# Altium PCB RelayTesterggf.PcbDoc (part 2 of 2) (continued)
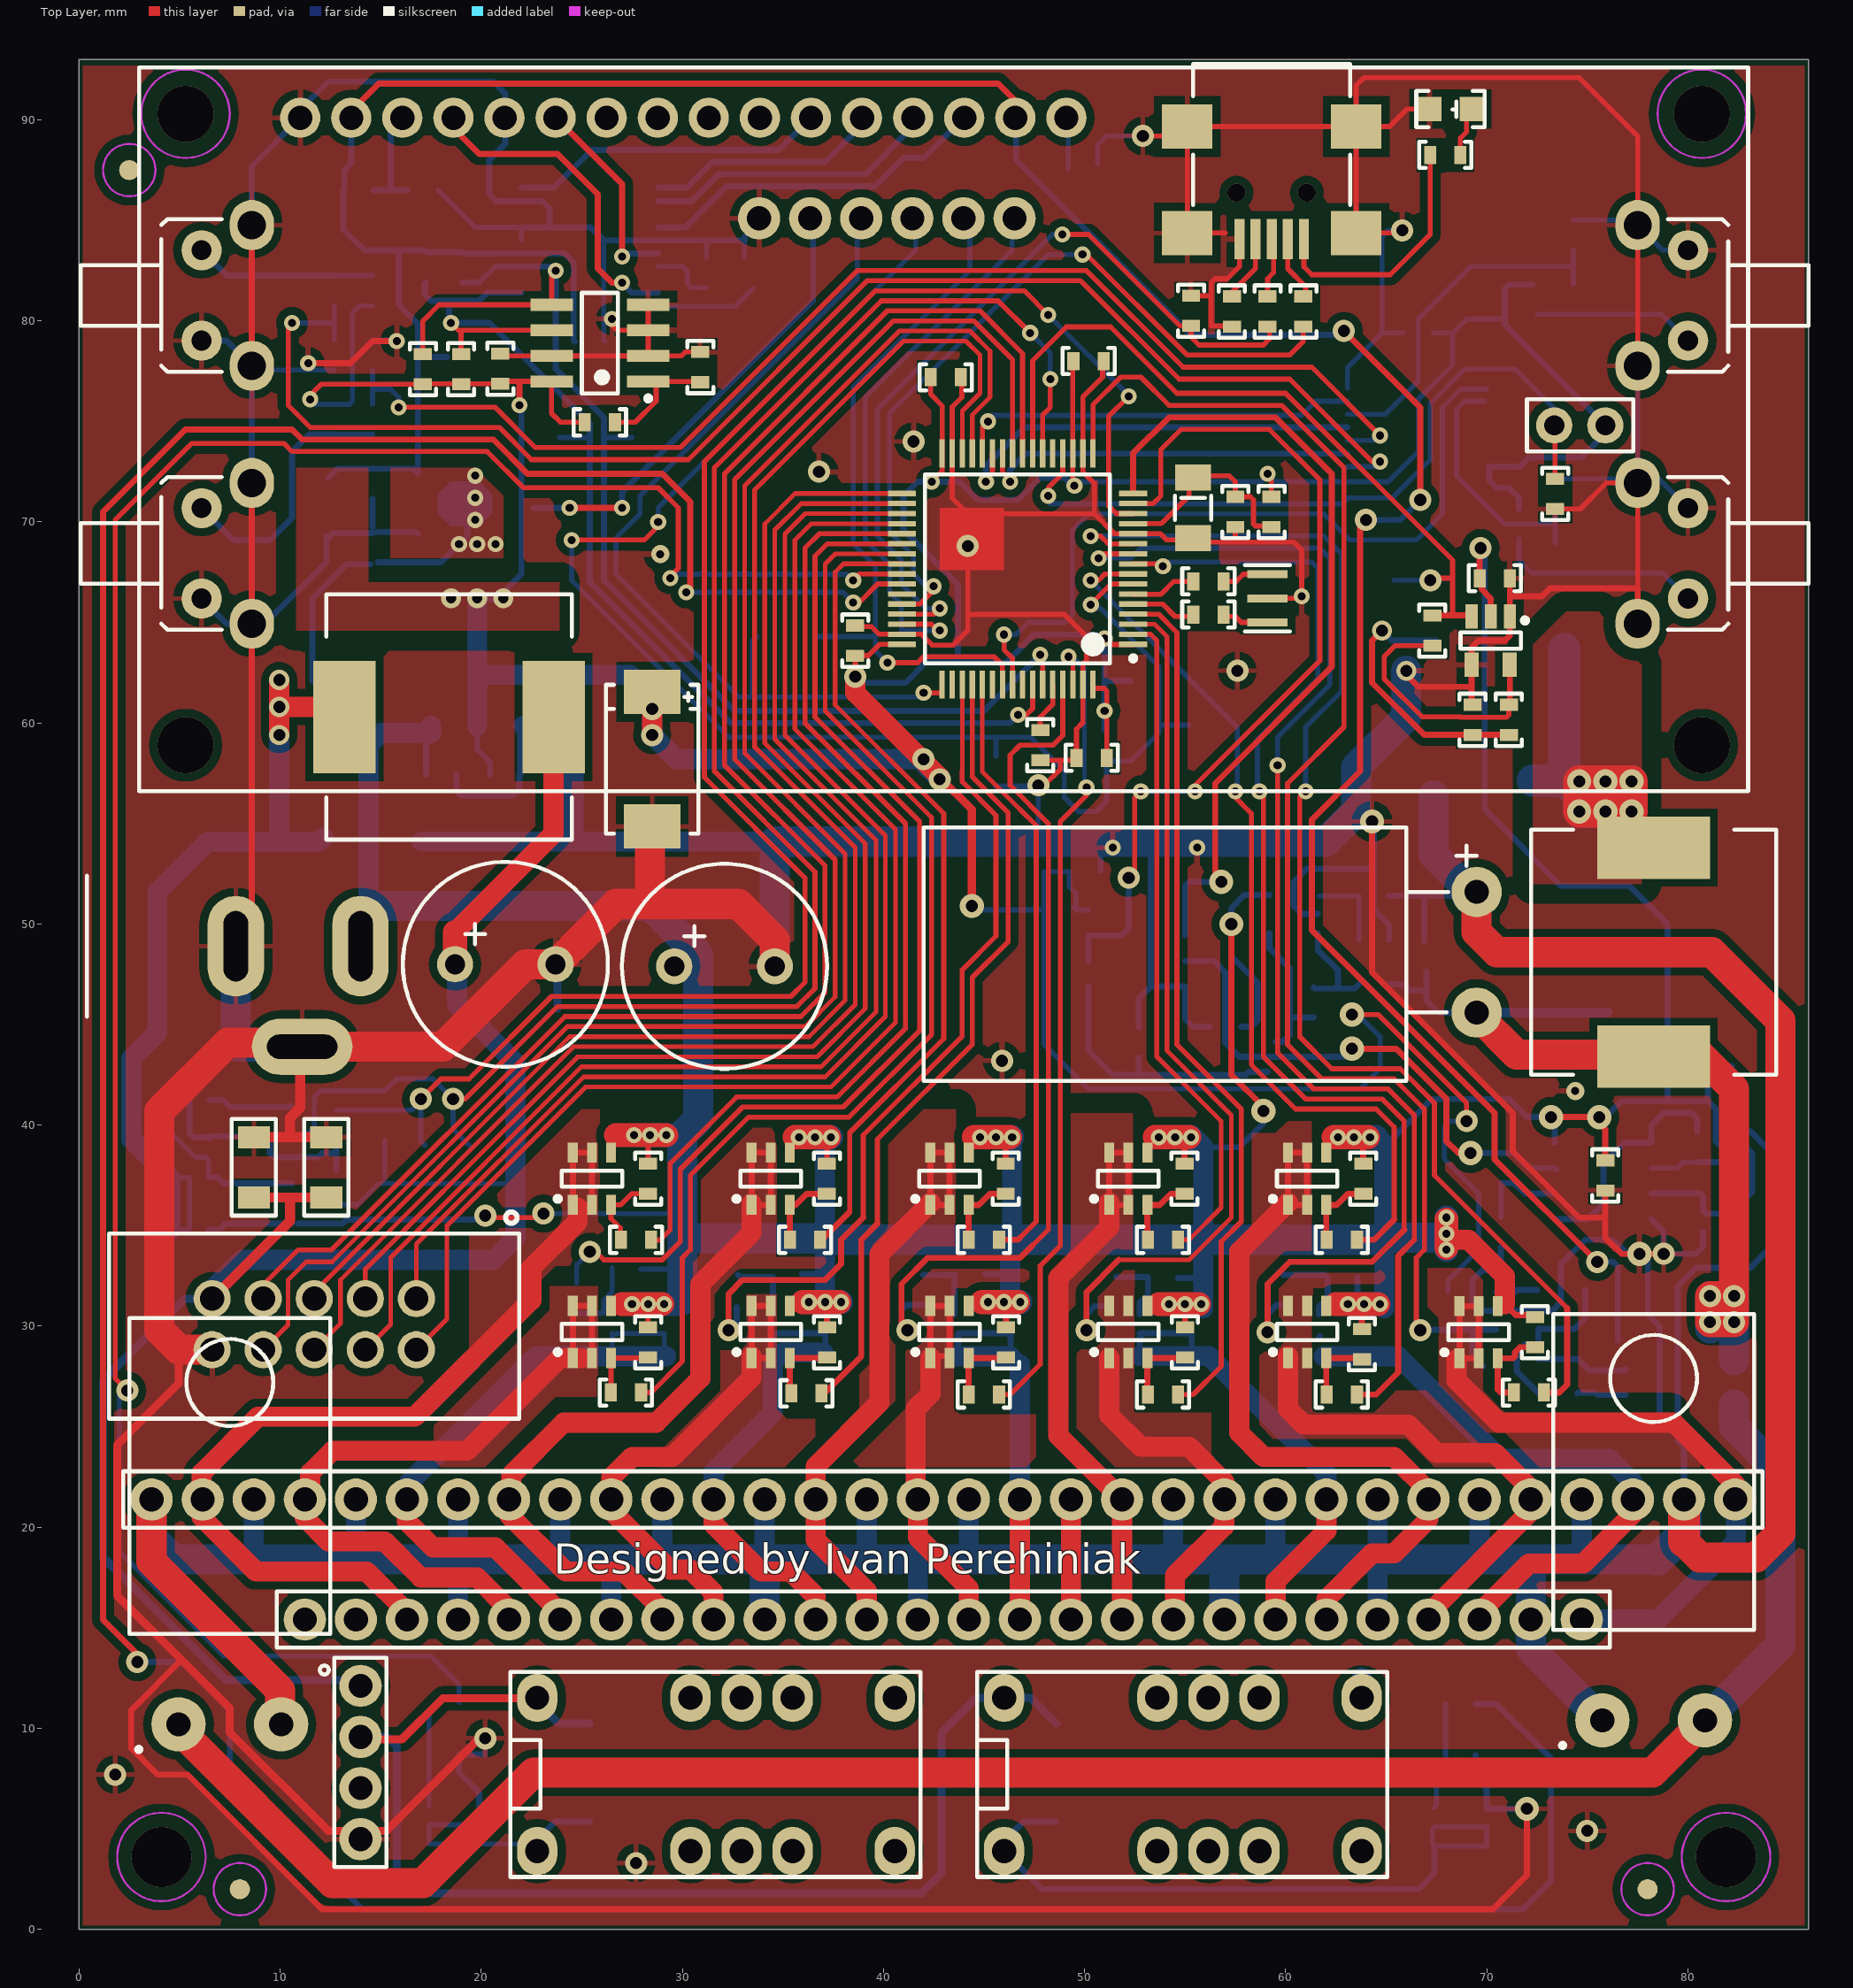
[diagram p0: Top Layer view]
## Nets (pads, with @x,y where several pads share a name; then routed paths per layer and width w, separated by ;. In a path a pad name is that pad's centre, name@x,y a point inside that pad or via, vN(x,y) a via of type N, cw(c..) or ccw(c..) an arc to the next point about the centre after c; other vN are vias at no path point) (continued)
  Top Layer w0.25: v1(24.5,69.1) 28.114,69.1 v1@28.9,69.886 ; v1@50.3,65.9 51.314,66.914 U1.7@52.421,66.914
  Bottom Layer w0.25: v1(24.5,69.1) 24.5,67.1 32.3,59.3 45.6,59.3 ; v1(28.8,70) 28.8,70.7 41.6,83.5 XT9.3@41.6,84.7 ; C32.1@45.6,58.35 45.6,59.3 ; v1(50.314,65.886) 50.5,65.7 50.8,65.7 53.7,62.8 53.7,59.5 52.3,58.1 51.1,58.1 51.1,56.1 50.6,55.6 49.7,55.6 49,56.3 49,57.6 47.3,59.3 45.6,59.3 ; 53.8,59.9 pad.2@55.2,59.9
OUT1: R22.1 U1.37 | length 50.1
  Top Layer w0.25: R22.1@28.417,34.285 28.885,34.285 29.4,34.8 29.4,38.1 32.7,41.4 37.7,41.4 41.1,44.8 41.1,55 36.1,60 36.1,68.7 36.814,69.414 U1.37@40.921,69.414
OUT2: R36.1 U1.39 | length 56.6
  Top Layer w0.23: U1.39@40.921,68.414 37.614,68.414 37.1,67.9 37.1,60.6 42.4,55.3
  Top Layer w0.25: R36.1@27.95,26.7 28.452,26.7 30,28.248 30,33.4 30.4,33.8 30.4,37.5 33.3,40.4 38.3,40.4 42.4,44.5 42.4,55.3
OUT3: R52.1 U1.38 | length 55.5
  Top Layer w0.25: v2(25.4,33.7) 25.7,33.7 26.1,33.3 29,33.3 29.9,34.2 29.9,37.8 33,40.9 38,40.9 41.8,44.7 41.8,55.1 36.6,60.3 36.6,68.3 37.214,68.914 U1.38@40.921,68.914
  Bottom Layer w0.25: R52.1@24.758,32.15 24.758,33.058 v2(25.4,33.7)
OUT4: R64.1 U1.40 | length 41.6
  Top Layer w0.23: U1.40@40.921,67.914 38.014,67.914 37.6,67.5 37.6,60.9 43,55.5
  Top Layer w0.25: 38.3,35.65 38.325,35.675 38.325,39.625 43,44.3 43,55.5
  Top Layer w0.3: R64.1@36.85,34.2 38.3,35.65
OUT5: R23.1 U1.52 | length 39.9
  Top Layer w0.23: 44.421,57.321 U1.52@44.421,61.914
  Top Layer w0.25: 39.7,35.1 39.7,39.3 44.421,44.021 44.421,47.346 46.2,49.125 46.2,55.542 44.421,57.321
  Top Layer w0.3: R23.1@36.926,26.665 37.065,26.665 38.9,28.5 38.9,34.3 39.7,35.1
OUT6: R37.1 U1.51 | length 42
  Top Layer w0.23: 43.921,57.621 U1.51@43.921,61.914
  Top Layer w0.25: 39,35.4 39,39.5 43.921,44.421 43.921,47.721 45.6,49.4 45.6,55.4 43.921,57.079 43.921,57.621
  Top Layer w0.3: v2(32.3,29.8) 32.3,31.6 33,32.3 37.1,32.3 37.9,33.1 37.9,34.3 39,35.4
  Bottom Layer w0.3: v2(32.3,29.8) 32.7,30.2 R37.1@32.7,30.95
OUT7: R53.1 U1.53 | length 30
  Top Layer w0.23: U1.53@44.921,61.914 44.921,57.579 46.8,55.7
  Top Layer w0.25: 46.8,34.4 47.6,35.2 47.6,54.9 46.8,55.7
  Top Layer w0.3: R53.1@45.75,34.3 46.7,34.3 46.8,34.4
OUT8: R65.1 U1.62 | length 40.8
  Top Layer w0.23: U1.62@49.4,61.935 U1.62@49.421,61.914 v1@49.421,63.379
  Top Layer w0.25: R65.1@45.75,26.6 46.3,26.6 47.8,28.1 47.8,33 48.8,34 48.8,55.1 50.1,56.4 v1(50.1,56.8)
  Bottom Layer w0.23: v1(49.2,63.3) 49.4,63.3 50,62.7 v1@50,56.8
OUT9: R24.1 U1.61 | length 43.1
  Top Layer w0.25: 47.4,34 48.2,34.8 48.2,55 46.3,56.9 46.3,58.4 46.8,58.9 48.442,58.9 48.921,59.379 U1.61@48.921,61.914
  Top Layer w0.3: v2(41.2,29.8) 40.9,30.1 40.9,32.1 42.2,33.4 46.8,33.4 47.4,34
  Bottom Layer w0.3: v2(41.2,29.8) 40.9,30.1 40.9,30.8 41.15,31.05 R24.1@41.978,31.05
OUT10: R38.1 U1.2 | length 33.6
  Top Layer w0.23: 53.3,64.4 53.6,64.1 53.6,43.4 56.8,40.2 56.8,35.9 55.2,34.3 R38.1@54.65,34.3
  Top Layer w0.25: U1.2@52.421,64.414 53.286,64.414 53.3,64.4
OUT11: R54.1 U1.4 | length 43.5
  Top Layer w0.25: U1.4@52.421,65.414 53.686,65.414 54.6,64.5 54.6,44 57.8,40.8 57.8,35.2 56.8,34.2 56.8,28 55.4,26.6 R54.1@54.65,26.6
OUT12: R66.1 U1.3 | length 45
  Top Layer w0.23: 51.7,33.3 55.2,33.3 57.3,35.4 57.3,40.5 54.1,43.7 54.1,64.3 53.486,64.914 U1.3@52.421,64.914
  Top Layer w0.3: v2(50.1,29.8) 50.1,31.7 51.7,33.3
  Bottom Layer w0.3: v2(50.1,29.8) 50.1,30.6 50.5,31 R66.1@51.3,31
OUT13: R25.1 U1.8 | length 45.2
  Top Layer w0.25: v1@50.1,67.1 v1(50.3,67.1) 50.7,67.1 51.014,67.414 U1.8@52.421,67.414 ; v1(57.5,56.6) 57.5,56.3 58.3,55.5 58.3,43 60.5,40.8 64.5,40.8 65.4,39.9 65.4,35.3
  Top Layer w0.3: R25.1@63.55,34.3 64.4,34.3 65.4,35.3
  Bottom Layer w0.25: v1(50.3,67.1) 57.6,59.8 57.6,56.7 v1(57.5,56.6)
OUT14: R39.1 U1.10 | length 63.4
  Top Layer w0.25: v1@50.828,68 50.7,68.128 v1(50.7,68.2) 50.914,68.414 U1.10@52.421,68.414 ; v1(59.6,57.9) 59.6,43.6 61.4,41.8 64.664,41.8 64.665,41.802 65.098,41.802 66.402,40.498 66.402,34.302 66.4,34.3
  Top Layer w0.3: R39.1@63.55,26.6 64.5,26.6 65.6,27.7 65.6,33.5 66.4,34.3
  Bottom Layer w0.25: v1(50.7,68.2) 52.3,68.2 52.8,68.7 61.7,68.7 62.2,68.2 62.2,61.9 59.6,59.3 v1(59.6,57.9)
OUT15: R55.1 U1.9 | length 61.1
  Top Layer w0.25: U1.9@52.421,67.914 53.886,67.914 53.9,67.9 v1(53.9,67.8) ; v1@58.9,56.4 58.9,43.4 61,41.3 64.8,41.3 65.9,40.2 65.9,34.8
  Top Layer w0.3: v2(59.1,29.7) 59.1,32.1 60.2,33.2 64.3,33.2 65.9,34.8
  Bottom Layer w0.25: v1(53.9,67.8) 53.9,68 61.3,68 61.6,67.7 61.6,62.2 58.6,59.2 58.6,56.7 v1(58.7,56.6)
  Bottom Layer w0.3: v2(59.1,29.7) 59.1,30.6 59.55,31.05 R55.1@60.1,31.05
OUT16: R67.1 U1.11 | length 65.9
  Top Layer w0.25: v1@50.5,69.3 50.8,69.3 51.186,68.914 U1.11@52.421,68.914 ; v1(61,56.6) 60.7,56.3 60.7,44.4 62.3,42.8 65.7,42.8 67.4,41.1 67.4,37.5 74,30.9
  Top Layer w0.3: R67.1@72.85,26.7 73.6,26.7 74,27.1 74,30.9
  Bottom Layer w0.25: v1(50.3,69.3) 61.9,69.3 62.8,68.4 62.8,61.6 61,59.8 v1(61,56.6)
PWMVOLTMEAS: DA3.6 DA3.7 pad.2@53.9,56.6 U1.15 | length 44.6
  Top Layer w0.25: v2(52.2,52.3) 52.5,52.6 52.5,56.3 v1(52.8,56.6) ; U1.15@52.421,70.914 53.414,70.914 53.8,71.3 53.8,73.6 54.8,74.6 59.2,74.6 61.7,72.1 61.7,63.1 55.5,56.9 v1(55.5,56.6)
  Bottom Layer w0.25: v1(52.8,56.6) v1(55.5,56.6)
  Bottom Layer w0.3: DA3.6@50.2,48.165 DA3.7@50.2,49.435 51.835,49.435 52.2,49.8 52.2,52.2 v2@52,52.4
RELON1: U1.35 XT6.1 | length 63
  Top Layer w0.23: XT6.1@16.78,31.37 16.78,34.088 25.092,42.4 37.1,42.4 40.1,45.4 40.1,54.4 35.1,59.4 35.1,69.4 36.114,70.414 U1.35@40.921,70.414
RELON2: U1.36 XT6.2 | length 65
  Top Layer w0.23: XT6.2@16.78,28.83 18.3,30.35 18.3,35 25.2,41.9 37.4,41.9 40.6,45.1 40.6,54.7 35.6,59.7 35.6,69.1 36.414,69.914 U1.36@40.921,69.914
RELON3: U1.33 XT6.3 | length 65.3
  Top Layer w0.23: 18.1,36.7 24.8,43.4 36.708,43.4 39.1,45.792 39.1,54 34.1,59 34.1,69.9 35.614,71.414 U1.33@40.921,71.414
  Top Layer w0.25: XT6.3@14.24,31.37 14.24,32.84 18.1,36.7
RELON4: U1.34 XT6.4 | length 67.2
  Top Layer w0.23: XT6.4@14.24,28.83 15.5,30.09 15.5,33.416 24.984,42.9 36.9,42.9 39.63,45.63 39.63,54.17 34.6,59.2 34.6,69.6 35.914,70.914 U1.34@40.921,70.914
RELON5: U1.29 XT6.5 | length 81.7
  Top Layer w0.23: XT6.5@11.7,31.37 11.7,31.7 24.4,44.4 36.3,44.4 38.1,46.2 38.1,53.5 33.1,58.5 33.1,71.8 40.8,79.5 44.3,79.5 45.3,78.5 45.3,76.2 44.421,75.321 U1.29@44.421,73.414
RELON6: U1.30 XT6.6 | length 82.8
  Top Layer w0.23: XT6.6@11.7,28.83 13,30.13 13,32.3 24.6,43.9 36.5,43.9 38.6,46 38.6,53.8 33.6,58.8 33.6,71.6 41,79 44.1,79 44.8,78.3 44.8,76.4 43.921,75.521 U1.30@43.921,73.414 U1.30@43.9,73.435
RELON7: U1.24 XT6.7 | length 86.5
  Top Layer w0.25: XT6.7@9.16,31.37 9.16,32.06 10.9,33.8 12.562,33.8 24.162,45.4 35.9,45.4 37.1,46.6 37.1,52.9 32.1,57.9 32.1,72.4 40.2,80.5 44.8,80.5 46.921,78.379 U1.24@46.921,73.414
RELON8: U1.25 XT6.8 | length 87.4
  Top Layer w0.23: XT6.8@9.16,28.83 10.4,30.07 10.4,32.3 11.3,33.2 12.584,33.2 24.284,44.9 36.122,44.9 37.6,46.378 37.6,53.2
  Top Layer w0.25: 37.6,53.2 32.6,58.2 32.6,72.1 40.5,80 44.5,80 46.421,78.079 U1.25@46.421,73.414
RELON9: R75.1 U1.41 | length 118.6
  Top Layer w0.25: v2(2.4,26.8) 1.8,27.4 1.8,70.1 5.6,73.9 10.2,73.9 10.6,73.5 20.3,73.5 22.1,71.7 28.8,71.7 29.8,70.7 29.8,67.7 29.4,67.3 v1(29.4,67.2) ; v1(38.5,67.1) 38.814,67.414 U1.41@40.921,67.414
  Bottom Layer w0.25: v2@2,26.9 2,18.8 7.2,13.6 17.5,13.6 18.9,12.2 R75.1@18.9,11.3 ; v1(29.4,67.2) 29.6,67.4 38.2,67.4 v1(38.5,67.1)
RELON10: R76.1 U1.42 | length 195.2
  Top Layer w0.25: v1(38.5,66) 38.8,66 39.714,66.914 U1.42@40.921,66.914
  Top Layer w0.3: v2(2.9,13.3) 2.9,13.7 1.2,15.4 1.2,70.5 5.3,74.6 10.6,74.6 11.1,74.1 20.6,74.1 22.3,72.4 29,72.4 30.4,71 30.4,66.5 v1(30.2,66.5)
  Bottom Layer w0.25: v1(30.2,66.5) 38,66.5 v1(38.5,66)
  Bottom Layer w0.3: v2(2.9,13.3) 5.1,13.3 7.5,10.9 7.5,7.6 14.1,1 71.8,1 73.2,2.4 73.2,8.5 70.491,11.209 R76.1@69.451,11.209
REZSOURSE: IC8.3 IC8.4 R30.2 R35.1 | length 100.7
  Top Layer w1.5: R35.1@5.1,10.1 5.1,9.8 12.6,2.3 17.1,2.3 22.6,7.8 78.25,7.8 R30.2@80.85,10.4
  Bottom Layer w1.5: R30.2@80.85,10.4 84.6,14.15 84.6,22.7 82.3,25 82.3,26.1
REZSOURSE1: C13.2 C16.2 IC8.1 IC8.2 L3.2 R83.1 R93.1 R94.1 | length 48.4
  Top Layer w1.5: C16.2@69.45,45.55 71.5,43.5 80.6,43.5 82.3,41.8 v2(82.3,31.5) ; v2(82.3,31.5) v2(82.3,30.2) v2(81.1,30.2) v2(81.1,31.5) v2(82.3,31.5)
  Bottom Layer w0.3: R83.1@65.15,47 65.9,47 66.2,46.7 67,46.7 ; C13.2@67,47.65 67,46.7 ; C16.2@69.5,45.6 67.6,45.6 67,46.2 67,46.7
  Bottom Layer w0.5: C16.2@69.5,45.6 R93.1@73.1,45.6 R94.1@76,45.6
  Bottom Layer w1.5: v2@81.1,29.9 v2(81.1,31.5) v2(82.3,31.5) v2(82.3,30.2) 82.3,28.3
TEMPMEAS: R2.2 U1.20 XT2.1 | length 36.5
  Top Layer w0.25: v1(48.2,71.3) 48.2,71.7 48.921,72.421 U1.20@48.921,73.414 ; XT2.1@73.36,74.8 73.4,74.76 R2.2@73.4,72.15
  Bottom Layer w0.25: v1@48.1,71.1 48.3,70.9 62.8,70.9 63.1,71.2 65.3,71.2 67.2,73.1 67.2,75.9 68.9,77.6 71.4,77.6 73.36,75.64 XT2.1@73.36,74.8
VDD: C3.2 C4.2 C5.2 C6.2 C12.2 C15.1 C17.2 C18.2 C31.2 DA2.5 DA3.8 IC3.2 IC4.8 IC5.14 L1.1 pad.2@22.6,70.7 pad.2@52.3,62.1 R12.2 R20.2 R21.2 R31.2 R32.2 R33.2 R34.2 R90.2 U1.1 U1.19 U1.32 U1.48 U1.64 XT2.2 XT9.5 | length 276
  Top Layer w0.25: v1@11.5,76.3 12.05,76.85 R21.2@17.1,76.85 ; R21.2@16.8,76.875 C17.2@20.952,76.875 21.067,76.99 IC4.8@23.505,76.99 23.5,76.985 23.5,75.4 23.942,74.958 R12.2@25.155,74.958 ; v2@38.6,62.5 C4.2@38.6,63.35 39.25,63.35 39.814,63.914 U1.48@40.921,63.914 ; C6.2@42.35,77.2 42.35,76.35 42.921,75.779 42.921,72.521 v1(42.4,72) ; C3.2@49.421,77.8 U1.19@49.421,73.414 49.421,71.879 v1(49.5,71.8) ; U1.64@50.421,61.721 50.979,61.721 51.104,61.596 C5.2@51.104,58.266 ; v1@51.2,64.1 51.4,63.9 52.407,63.9 U1.1@52.421,63.914 ; v1(59.1,72.4) 59.3,72.2 L1.1@59.3,71.25 ; v3(63.3,45.5) 64.6,45.5 69,41.1 v2(69,40.2)
  Top Layer w0.3: v1(21.9,75.8) 21.9,76.9 ; v1(24.4,70.7) v1(27,70.7)
  Top Layer w0.4: v2(42.8,57.2) 42.8,57.3 44.4,55.7 v3(44.4,50.9)
  Top Layer w1: v2(28.5,59.4) C15.1@28.5,61.45 ; v2(38.6,62.3) 38.6,61.5 v2@42.8,57.3
  Bottom Layer w0.25: v1(11.5,76.1) 11.75,75.85 R32.2@12.7,75.85 13.45,75.85 13.6,76 13.6,80.4 13.95,80.75 R31.2@14.6,80.75 ; v3(44.4,50.9) 44.6,50.7 48,50.7 ; DA3.8@49.45,50.85 DA3.8@49.595,50.705 ; v1(49.5,71.8) 49.7,72 58.8,72 v1@59.1,72.3 ; DA3.8@50.2,50.705 DA3.8@49.595,50.705 ; v1(59.1,72.4) 59.5,72 65.1,72 66.6,73.5 66.6,76.1 68.3,77.8 68.3,79.4 ; v3(63.3,45.5) 63.6,45.5 64.7,44.4 64.7,42.8 63.7,41.8 50.2,41.8 48,44 48,52.6 C31.2@49.25,52.6 49.25,51.85 49.595,51.505 DA3.8@49.595,50.705 ; C18.2@67.35,79.4 68.3,79.4 ; DA2.5@68.069,31.719 68.069,32.269 69.6,33.8 69.6,36.6 67.9,38.3 67.9,39.9 68.2,40.2 v2(69,40.2) ; 70.9,80.1 69,80.1 68.3,79.4
  Bottom Layer w0.3: IC3.2@19.8,59.85 19.8,58.7 20.44,58.06 C12.2@20.44,57.438 ; IC3.2@19.8,66.15 20.75,66.15 22,67.4 v1@22,75.8 ; pad.2@22.6,70.7 v1(24.4,70.7) ; v1(27,70.7) 27,71.5 36.5,81 XT9.5@36.5,84.9 ; v2(38.6,62.3) 38.9,62 41.1,62 42.1,63 46.1,63 47.5,64.4 50.6,64.4 50.8,64.2 v1(51,64.2) 51,62.1 ; 43.7,63 43.7,66.9 41,69.6 41,71.3 41.7,72 v1(42.4,72) 43.8,72 44.7,71.1 46.7,71.1 47.8,72.2 49,72.2 49.4,71.8 v1(49.5,71.8) ; R90.2@51,59.65 51,62.1 ; pad.2@52.3,62.1 51,62.1 ; R34.2@71.6,70.65 71.6,71.2 71.1,71.7 70.5,71.7 70.125,72.075 IC5.14@70.125,72.75 71.65,72.75 72.1,73.2 74.7,73.2 75.9,74.4 XT2.2@75.9,74.8 ; R33.2@72.3,81.8 71.1,81.8 70.9,81.6 70.9,79.8 75.3,75.4 XT2.2@76.1,75.4
  Bottom Layer w1: IC3.2@19.8,59.85 19.8,62.4 ; IC3.2@19.8,66.15 19.8,62.4 ; v2(42.8,57.2) 42,58 v2(42,58.2) 29.7,58.2 v2(28.5,59.4) 28.5,61.3 27.4,62.4 19.8,62.4
  other v1: 51,60.6
  other v2: 28.5,60.7
  other v6: 18.5,66.2 19.8,66.2 21.1,66.2
VSUPPLY: C1.1 C2.2 C8.1 C10.2 C23.1 C24.2 C30.2 DA1.8 DA4.5 IC1.2 IC3.3 IC7.2 R26.1 R27.1 R28.1 R29.1 R44.1 R45.1 R46.1 R47.1 R49.1 R56.1 R57.1 R58.1 R59.1 R68.1 R69.1 R70.1 R71.1 R87.2 R88.2 T3.3 T4.3 T5.3 T6.3 T7.3 T8.3 T9.3 T10.3 T11.3 T12.3 T13.3 T14.3 T15.3 T16.3 T17.3 T18.3 T19.3 XT3.2 | length 327.5
  Top Layer w0.25: v2@20.5,35.4 22.9,35.4 v2(23.1,35.6) ; T3.3@26.4,38.575 T3.3@26.458,38.633 ; R26.1@28.285,38.1 R26.1@28.302,38.083 28.302,39.498 v1@28.3,39.5 ; R44.1@28.3,29.95 v1@28.3,31.013 ; T4.3@35.348,31.013 v1@36.515,31.013 ; R68.1@37.175,38.1 R68.1@37.192,38.083 v1@37.192,39.292
  Top Layer w0.3: v1(37.1,31.2) 37.2,31.1 R27.1@37.2,29.95 ; T16.3@44.238,31.013 v1@45.437,31.013 ; v1@45.413,31.013 v1@45.6,31.2 ; v1(46,31.2) 46.1,31.1 R69.1@46.1,29.95 ; R57.1@46.082,38.083 46.082,38.918 ; R46.1@54.955,38.1 R46.1@54.972,38.083 54.972,38.928 ; R58.1@55,29.95 v1@55,31.3 ; v3(57.3,50) 57.3,42.5 58.9,40.9 v3(58.9,40.7) ; R47.1@63.8,29.85 v1@63.8,31 ; R29.1@63.845,38.1 R29.1@63.862,38.083 v1@63.862,39.3 ; C1.1@69.65,67.2 69.65,68.65 v2(69.7,68.7) ; C1.1@69.75,67.2 69.75,66.65 70.2,66.2 IC1.2@70.2,65.3 ; 71.2,30.8 71.45,30.55 R71.1@72.4,30.55 ; v3(73.2,40.4) 75.3,40.4 75.9,39.8 C30.2@75.9,38.25
  Top Layer w1: 68.4,34.3 69.1,34.3 70.9,32.5 70.9,31.1
  Top Layer w1.2: 26.7,39.5 v1(27.6,39.5) 28.3,39.5 v1(28.4,39.5) v1(29.2,39.5) ; 27,31.1 v1(28.3,31.1) v1@29,31.1 ; v1@35.6,39.4 v1(35.8,39.4) v1(36.6,39.4) v1@37.3,39.4 ; v1@36,31.2 v1(36.3,31.2) v1(37.1,31.2) v1@37.8,31.2 ; v1@44.5,39.4 v1(44.8,39.4) v1(45.6,39.4) v1@46.3,39.4 ; v1@44.9,31.2 v1(45.2,31.2) 45.6,31.2 v1(46,31.2) v1@46.7,31.2 ; v1@53.5,39.4 v1(53.7,39.4) v1(54.5,39.4) v1@55.2,39.4 ; 53.7,31.1 v1(55,31.1) v1@55.7,31.1 ; v1@62.4,39.4 v1(62.6,39.4) v1(63.4,39.4) v1@64.1,39.4 ; 62.5,31.1 v1(63.1,31.1) v1(63.9,31.1) v1@64.6,31.1 ; v1@68,33.9 v1(68,34.6) v1@68,35.3
  Bottom Layer w0.25: v2@20,35.3 v2(20.2,35.5) ; v2(23.1,35.6) 30,35.6 ; R56.1@27.95,32.835 30.065,32.835
  Bottom Layer w0.3: T19.3@6.45,34.8 7,34.8 7.3,35.1 R88.2@8.4,35.1 R87.2@10.6,35.1 ; R87.2@10.9,35.1 13.1,35.1 13.3,35.3 v2@20,35.3 ; C24.2@14.5,67.9 13.3,67.9 11.6,66.2 11.6,62.1 14.2,59.5 15.6,59.5 ; C24.2@14.85,68 18,68 19.3,69.3 19.3,70.1 ; C10.2@17.265,57.438 IC3.3@17.265,59.465 ; IC3.3@17.265,59.615 IC3.3@17.5,59.85 ; R45.1@35.95,32.6 37,32.6 37.1,32.5 ; R28.1@45.05,32.6 46.2,32.6 46.3,32.5 ; R70.1@54.65,32.4 55.8,32.4 55.9,32.3 ; 55.9,38.9 57.7,38.9 58.9,40.1 v3(58.9,40.7) ; C2.2@57.8,44.9 58.3,44.9 58.6,45.2 58.6,47.1 57.3,48.4 v3(57.3,50) 57.3,50.8 57.95,51.45 DA4.5@59.2,51.45 ; v1@63.569,31.231 R59.1@63.569,32.435 ; 64.9,38.9 67.3,41.3 71.1,41.3 72,40.4 v3(73.2,40.4) ; 67.7,34.3 68,34.3 68.4,34.3 ; v2@69.9,68.5 69.9,55.7 73.7,51.9 77.1,51.9 79,50 79,41.2 ; DA1.8@73.39,39.134 73.39,40.21 v3(73.2,40.4) ; v3@75.5,40 76.7,41.2 81,41.2 ; v3(75.6,40.4) v3(73.2,40.4) ; C23.1@82.2,42.95 81.25,42.95 81,42.7 81,41.2 ; R49.1@82.255,36.467 82.422,36.3 82.8,36.3 83.211,36.711 83.211,38.589 82.9,38.9 81.7,38.9 81.4,39.2 81.4,40.8 81,41.2
  Bottom Layer w1: XT3.2@13.4,49.9 14.4,50.9 14.4,58.9 15,59.5 17.5,59.5 IC3.3@17.5,59.85 ; IC3.3@17.265,59.465 IC3.3@17.5,59.7 ; v1@29.4,39.5 30,39.5 ; v1@37.1,30.9 v1(37.1,31.2) 37.1,32.5 37.1,34.3 37.1,38.8 ; v1@46.2,31 v1@46.2,31.2 ; 46.2,34.7 46.4,34.9 v1(46.4,39.4) ; v1@46.3,31.2 46.3,32.5 46.3,34.3 ; v1@55.9,30.9 55.9,32.3 55.9,34.3 ; 55.9,34.4 55.9,38.9 ; v1@64.9,30.9 64.9,34.3 ; 64.9,34.4 64.9,38.9 64.9,39
  Bottom Layer w1.1: v1@64.5,39.4 64.9,39
  Bottom Layer w1.2: v1@27.6,31.1 v1(28.3,31.1) v1(29.1,31.1) 29.8,31.1 ; v1(27.6,39.5) v1(28.4,39.5) v1(29.2,39.5) v1@29.4,39.5 ; v1(35.8,39.4) v1(36.6,39.4) v1(37.4,39.4) ; v1(36.3,31.2) v1(37.1,31.2) v1(37.9,31.2) ; v1(44.8,39.4) v1(45.6,39.4) v1(46.4,39.4) ; v1(45.2,31.2) v1(46,31.2) v1(46.8,31.2) ; v1(53.7,39.4) v1(54.5,39.4) v1(55.3,39.4) 55.8,38.9 ; v1(54.2,31.1) v1(55,31.1) v1(55.8,31.1) ; v1(62.6,39.4) v1(63.4,39.4) v1@64.5,39.4 ; v1(63.1,31.1) v1(63.9,31.1) v1(64.7,31.1) ; v1(68,33.8) 68,34.3 v1(68,34.6) v1(68,35.4)
  Bottom Layer w1.5: XT3.2@14,48.3 14,50.1 14.8,50.9 28.4,50.9 30.8,48.5 30.8,40.3 30,39.5 30,35.6 30,31.3 ; 30.2,34.3 30.265,34.365 37.035,34.365 37.1,34.3 46.2,34.3 ; 46.3,34.3 55.9,34.3 64.9,34.3 ; 64.9,34.4 67.4,34.4
  other v1: 27.5,31.1 64.2,39.4 18.9,68.9 19.8,68.9 20.709,68.9 19.7,70.1 19.7,71.2 19.7,72.3
VSUPPLY1: C13.1 C16.1 C23.2 D2.2 R30.1 R35.2 R48.1 R84.1 R93.2 R94.2 XT4.3 XT4.4 XT4.7 XT4.8 XT5.3 XT5.4 XT5.7 XT5.8 XT7.1 XT7.3 XT7.5 XT7.7 XT7.9 XT7.11 XT7.13 XT7.15 XT7.17 XT7.19 XT7.21 XT7.23 XT7.25 XT7.27 XT7.29 XT7.31 XT8.4 XT8.7 XT8.10 XT8.13 XT8.16 XT8.19 XT8.22 XT8.25 | length 274.8
  Top Layer w1: XT4.3@32.947,3.897 XT4.3@33.2,4.15 ; XT4.8@32.947,11.517 XT4.8@33.2,11.517 ; XT8.16@49.33,15.413 XT7.19@49.33,21.382
  Top Layer w1.5: XT7.1@3.61,21.382 3.61,18.29 10,11.9 10,10.7 R35.2@9.5,10.2 ; C16.1@69.5,51.5 69.5,49.6 70.5,48.6 81.2,48.6 84.6,45.2 84.6,19.7 83.4,18.5 80.6,18.5 79.81,19.29
  Top Layer w1.6: 79.81,19.29 XT7.31@79.81,21.382
  Bottom Layer w0.3: R84.1@65.15,51.4 69,51.4 C16.1@69.3,51.4 ; C13.1@66.9,49.15 66.9,51.4 C16.1@69.3,51.4 ; C16.1@69.5,51.6 C16.1@69.3,51.4 ; XT7.31@79.81,21.382 79.81,23.99 79.5,24.3 79.5,32 80.4,32.9 83.1,32.9 84,33.8 84,38.8 83.1,39.7 82.3,39.7 R48.1@82.255,39.655 82.255,41.395 C23.2@82.2,41.45
  Bottom Layer w0.5: C16.1@69.5,51.6 69.5,49.9 70.8,48.6 R93.2@73.1,48.6 R94.2@76,48.6
  Bottom Layer w1: 8.69,18.4 XT7.3@8.69,21.382 ; XT7.5@13.77,21.382 13.77,18.43 13.8,18.4 ; XT8.4@18.85,15.413 18.85,18.4 XT7.7@18.85,21.382 ; 23.9,18.4 23.93,18.43 XT7.9@23.93,21.382 ; XT8.7@26.47,15.413 26.47,18.37 26.5,18.4 ; 29,18.4 29.01,18.41 XT7.11@29.01,21.382 ; XT4.8@32.947,11.517 XT4.8@33.1,11.67 ; 34.09,18.4 XT7.13@34.09,21.382 ; XT7.15@39.17,21.382 39.17,18.43 39.2,18.4 ; 41.7,18.4 41.71,18.39 XT8.13@41.71,15.413 ; XT7.17@44.25,21.382 44.25,18.55 44.4,18.4 ; XT8.16@49.33,15.413 49.33,18.37 49.3,18.4 49.33,18.43 XT7.19@49.33,21.382 ; 54.4,18.4 54.41,18.41 XT7.21@54.41,21.382 ; XT5.8@56.163,11.517 XT5.8@56.3,11.654 ; XT7.23@59.49,21.382 59.49,18.41 59.5,18.4 ; XT8.22@64.57,15.413 64.57,18.4 XT7.25@64.57,21.382 ; XT7.27@69.65,21.382 69.65,18.45 69.7,18.4 ; 71.9,18.4 72.19,18.11 ; 74.7,18.4 74.73,18.43 XT7.29@74.73,21.382 ; XT7.31@79.81,21.382 XT7.31@79.9,21.292
  Bottom Layer w1.5: XT7.1@3.61,21.382 3.61,19.49 4.7,18.4 8.69,18.4 13.8,18.4 18.85,18.4 23.9,18.4 26.5,18.4 29,18.4 34.09,18.4 ; XT8.10@34.09,15.413 34.09,18.4 ; XT8.19@56.95,15.413 56.95,18.4 ; D2.2@67.36,56.4 67.36,53.44 69,51.8 C16.1@69,51.4 ; 72.19,18.11 XT8.25@72.19,15.413 72.19,13.96 R30.1@75.75,10.4 ; 78.5,18.4 74.7,18.4 71.9,18.4 69.7,18.4 64.57,18.4 59.5,18.4 56.95,18.4 ; 34.09,18.4 39.2,18.4 41.7,18.4 44.4,18.4 49.3,18.4 54.4,18.4 56.95,18.4
  Bottom Layer w1.6: 78.5,18.4 79.9,19.8 XT7.31@79.9,21.292
pads on no net: IC5.10 IC5.11 IC5.12 IC5.13 IC6.1 IC6.3 IC6.8 IC6.13 IC6.18 LCD1.7 LCD1.8 LCD1.9 LCD1.10 U1.21 U1.43 U1.54 U1.57 XT8.1 XT8.2 XT10.3
copper on no net:
  other v5: 5.3,58.9 80.7,58.9 5.3,90.3 80.7,90.3
  other v7: 57.559,86.369 61.059,86.369
  other v9: 4.1,3.6 81.9,3.6

## Polygon pours and split planes (outlines as drawn)
GND on Top Layer "GND_L01_P052" (solid, remove dead copper, pour order 52): 0.2,92.7 0.2,0.2 85.8,0.2 85.8,92.7
MOSOUT1 on Top Layer "MOSOUT1_L01_P000" (solid, pour order 0): 25.9,40.8 25.9,38 25.9,36.6 26.2,36.6 26.2,33 23.7,33 23,32.3 23,31.2 19.4,27.6 19.4,35 19.4,35.2 25,40.8
MOSOUT2 on Top Layer "MOSOUT2_L01_P002" (solid, pour order 2): 24.4,32 25.8,32 25.8,26.5 23.7,26.5 20.2,23 18,23 17.65,23.35 17.65,25.05 18,25.4 23.4,30.8 23.4,32
MOSOUT4 on Top Layer "MOSOUT4_L01_P004" (solid, pour order 4): 34.7,36.7 37.2,36.7 37.2,32.9 37,32.7 36.9,32.6 32.6,32.6 31.6,31.6 31.6,30.4 31.402,30.202 31.362,28.5 30.2,28.5 30.2,33.3 30.6,33.7 30.7,33.8 30.7,37.3 30.7,37.4 33.2,39.9 34.7,39.9
MOSOUT5 on Top Layer "MOSOUT5_L01_P006" (solid, pour order 6): 34.7,31.6 34.7,25.9 35.1,25.5 35.2,25.4 36.6,25.4 36.6,24.5 35.1,23 28.8,23 28.8,23.7 31.9,26.8 31.9,28.8 32.9,28.8 33.2,29.1 33.2,31.6
MOSOUT7 on Top Layer "MOSOUT7_L01_P010" (solid, pour order 10): 40.8,39.6 42,40.8 43.6,40.8 43.6,33.7 43.3,33.4 42.2,33.4 42.2,33.3 40.8,31.9 40.6,31.7 40.6,29.9 40.6,28.2 40.6,26.3 38.1,23.8 38.8,24.5 38.8,33.8 38.8,34.2 39.7,35.1 39.7,38.5
MOSOUT8 on Top Layer "MOSOUT8_L01_P012" (solid, pour order 12): 41.3,31.9 42.5,33.1 42.6,33 47,33 47.1,33 47.3,32.8 47.3,31.8 43.8,31.8 43.5,31.5 43.5,27.8 43.5,25.9 43.8,25.6 47.6,25.6 47.6,23.5 47.1,23 39.7,23 38.8,23 38.5,23.3 41.1,25.9 41.1,31.7
MOSOUT10 on Top Layer "MOSOUT10_L01_P014" (solid, pour order 14): 48.8,40.6 52.4,40.6 52.4,39.1 52.4,33.3 51.8,33.3 50,31.5 49.2,30.7 49.2,26.1 48.2,26.1 48.2,33.4 48.8,34
MOSOUT11 on Top Layer "MOSOUT11_L01_P016" (solid, pour order 16): 52.5,32.9 51,32.9 50.1,32 49,30.9 49,23 56,23 56.3,23.3 56.3,25.7 52.5,25.7 52.5,28.032
MOSOUT13 on Top Layer "MOSOUT13_L01_P018" (solid, pour order 18): 58.2,39.6 59.5,39.6 60.1,40.2 61.3,40.2 61.3,39.2 61.3,33.8 60.9,33.4 59.7,33.4 58.6,32.3 58.6,30.5 58.1,30 57.2,30 57.2,33.9 58.2,34.9
MOSOUT14 on Top Layer "MOSOUT14_L01_P020" (solid, pour order 20): 64.3,33.2 65.1,32.4 65.1,31.8 61.6,31.8 61.3,31.5 61.3,27.9 61.3,25.9 61.5,25.7 64.4,25.7 65.5,26.8 67,26.8 70.8,23 67.4,23 66,24.4 59.4,24.4 58.7,25.1 58.7,31.9 60,33.2
MOSOUT16 on Top Layer "MOSOUT16_L01_P022" (solid, pour order 22): 67.05,32.9 69.2,32.9 69.8,32.3 69.8,27.9 69.8,26.8 70.9,25.7 79.1,25.7 79.1,24.9 81,23 72.6,23 70.9,24.7 70,24.7 67.6,27.1 67.6,30.4 67.05,30.95
VDD on Top Layer "VDD_L01_P036" (solid, pour order 36): 10.8,72.7 14.4,72.7 14.4,67 23.9,67 23.9,64.6 10.8,64.6
VSUPPLY on Top Layer "VSUPPLY_L01_P040" (solid, pour order 40): 15.5,72.7 19.7,72.7 21.1,71.3 21.1,68.2 15.5,68.2
NetD2_1 on Top Layer "NETD2_1_L01_P042" (solid, pour order 42): 72.3,63.9 74.1,65.7 77.7,65.7 77.7,52 72.3,52
GND on Bottom Layer "GND_L02_P054" (solid, remove dead copper, pour order 54): 0.2,92.8 0.2,0.2 85.8,0.2 85.8,92.8
NetD3_1 on Bottom Layer "NETD3_1_L02_P050" (solid, pour order 50): 16.6,5.4 22.5,5.4 23.4,4.5 23.3,4.4 23.3,2.4 17.2,2.4 16.6,3
NetD4_1 on Bottom Layer "NETD4_1_L02_P048" (solid, pour order 48): 66.5,5.4 71.2,5.4 71.4,5.4 72.8,4 73.8,3 73.8,1.6 66.4,1.6 65.5,2.5 65.5,5.2
MOSOUT3 on Bottom Layer "MOSOUT3_L02_P024" (solid, pour order 24): 29.8,29.9 29.8,28.1 24.7,23 16.5,23 16.5,23.6 22.8,29.9
MOSOUT6 on Bottom Layer "MOSOUT6_L02_P026" (solid, pour order 26): 33.6,29.9 38.1,29.9 38.1,28.1 33,23 25.8,23 31.3,28.5 31.5,28.7 32.9,28.7 33.6,29.4
MOSOUT9 on Bottom Layer "MOSOUT9_L02_P028" (solid, pour order 28): 42.3,29.9 46.7,29.9 47.3,29.3 47.3,23 35.3,23 34.7,23.6 39.5,28.4 41.6,28.4 42.3,29.1
MOSOUT12 on Bottom Layer "MOSOUT12_L02_P030" (solid, pour order 30): 51.2,29.9 55.7,29.9 62.6,23 51.3,23 49.4,23 48.8,23.6 48.9,23.7 48.9,27.6 49.9,28.6 50.5,28.6 50.7,28.6 51.2,29.1
MOSOUT15 on Bottom Layer "MOSOUT15_L02_P032" (solid, pour order 32): 60.3,29.8 65.3,29.8 71.8,23.3 71.8,23 63.6,23 59.2,27.4 59.2,28.5 59.9,28.5 60.3,28.9
VDD on Bottom Layer "VDD_L02_P034" (solid, pour order 34): 12.2,66.1 13.8,67.7 24.2,67.7 24.2,67.6 32.4,59.4 32.5,59.3 39.5,59.3 41.5,59.3 43.3,57.5 43.4,57.4 43.4,55.5 25.9,55.5 24.4,57 24.4,59.7 24.2,59.7 22.8,61.1 22.6,61.3 16.1,61.3 16.1,60.2 12.2,60.2
VSUPPLY on Bottom Layer "VSUPPLY_L02_P038" (solid, pour order 38): 17.1,68.2 21.1,68.2 21.5,68.6 21.6,68.7 21.6,77.4 17.6,77.4 17.2,77 17.1,76.9
NetD2_1 on Bottom Layer "NETD2_1_L02_P044" (solid, pour order 44): 73.1,64.7 74.1,65.7 77.7,65.7 77.7,55.1 77.2,54.6 73.1,54.6
NetD1_2 on Bottom Layer "NETD1_2_L02_P046" (solid, pour order 46): 5.7,37.3 5.7,33 0.856,28.156 0.5,28.156 0.5,40.856 2.144,40.856

## Keep-outs
Keep-Out Layer:
  circle w0.1: c8,2 r1.304
  circle w0.1: c2.5,87.5 r1.304
  circle w0.1: c78,2 r1.304
  circle w0.1: c81.9,3.6 r2.2
  circle w0.1: c4.1,3.6 r2.2
  circle w0.1: c5.3,90.3 r2.2
  circle w0.1: c80.7,90.3 r2.2

## Other copper
Top Layer:
  rectangle net GND: 42.8,67.6 46,70.7

## Silkscreen, mask and mechanical layers (free items; w line width, h text height)
Top Overlay:
  text "Designed by Ivan Perehiniak" at 23.6,17.7 h1.5
Mechanical 1:
  the board outline again, w0.2
Mechanical 2:
  lines w1.2: 7.8,47.8 7.8,50 ; 10,43.9 12.2,43.9 ; 14,47.8 14,50